# KiCad board data-center-dram-tester.kicad_pcb (continued)
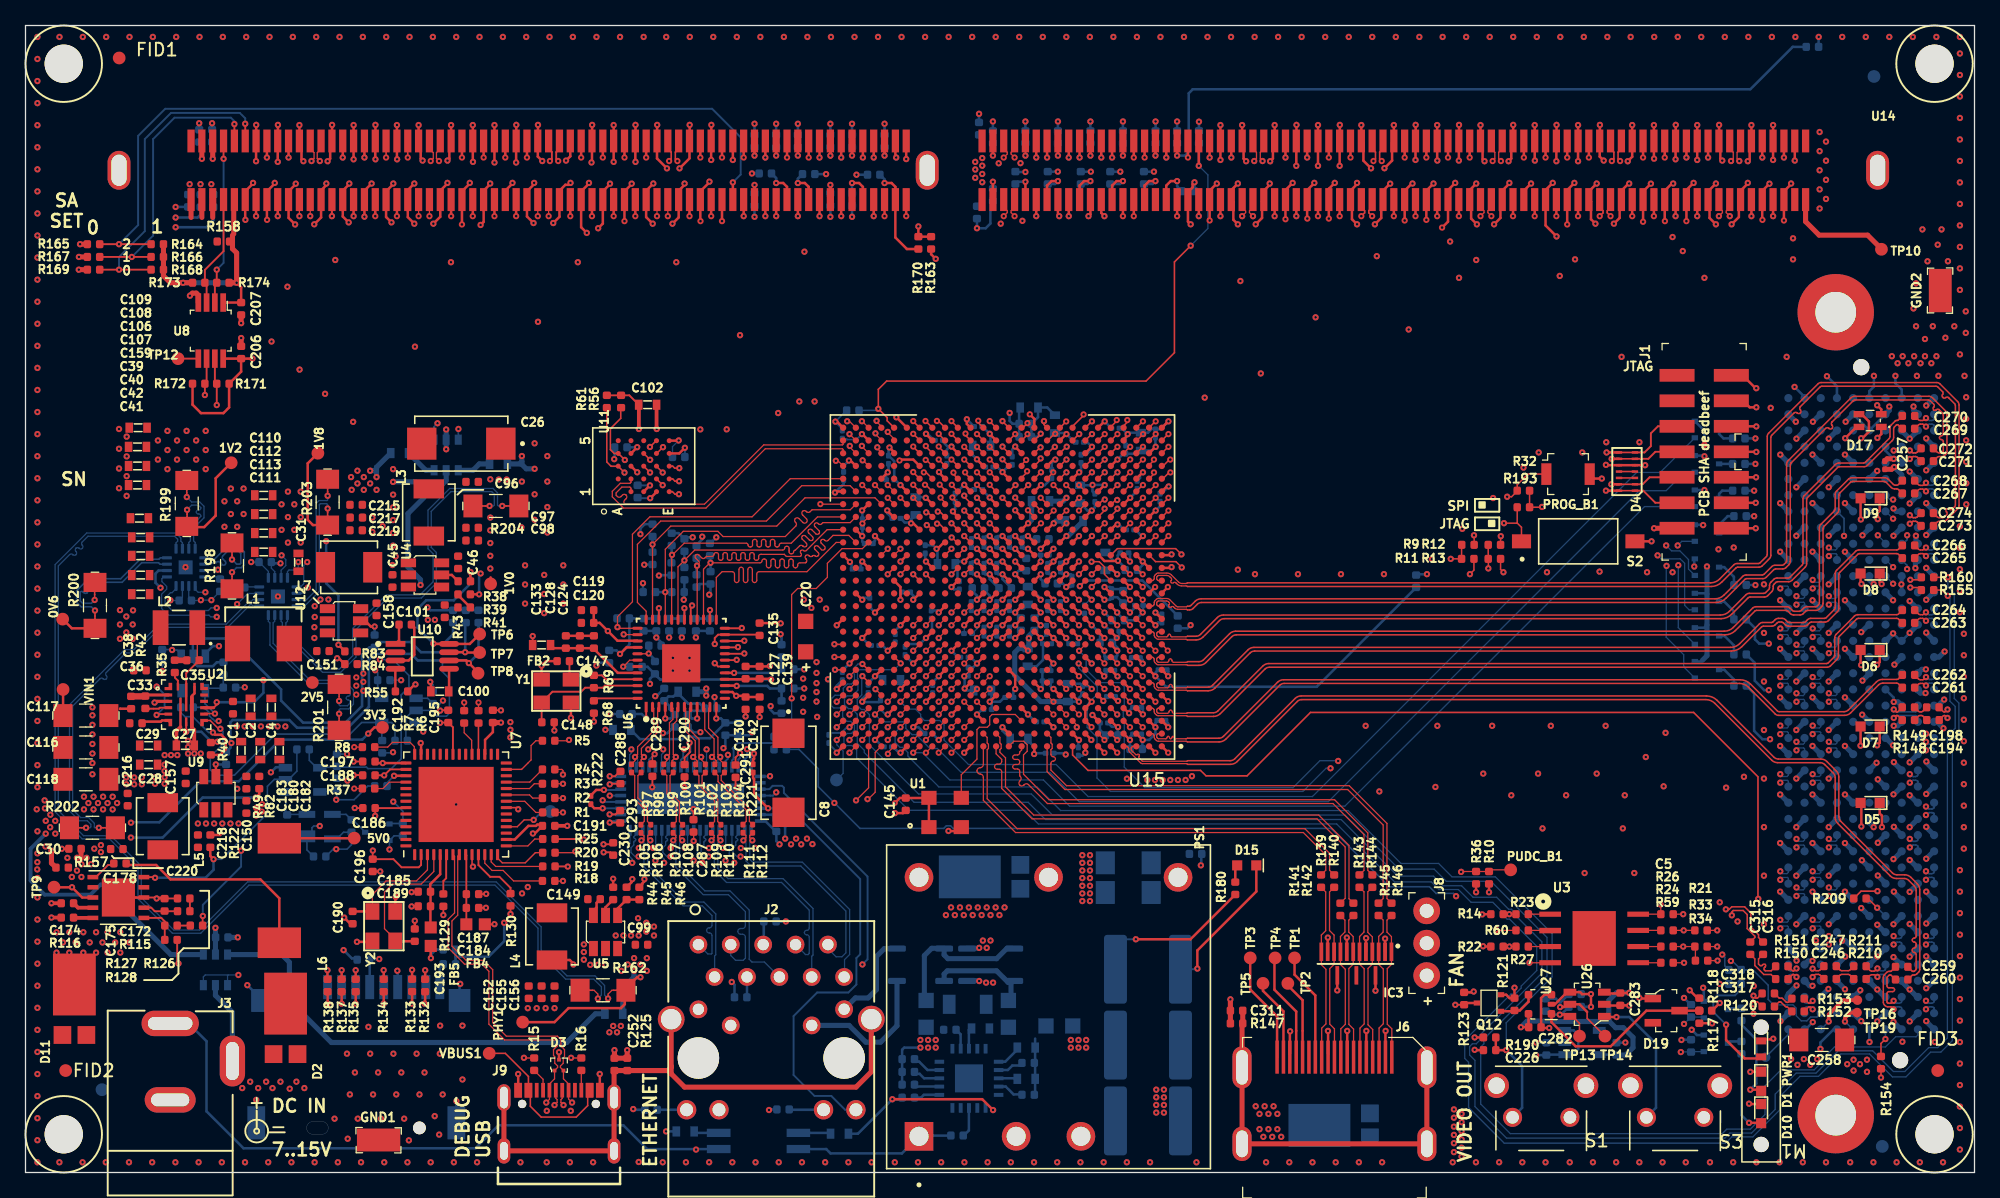
[diagram p0: board, top side]
## Routing (per net, layer and track width the routed paths; a pad name or vN(x,y) marks a point on that pad's centre or on a via; arc(x,y) is an arc through that point) (continued)
DQ15: length 65.3
  Top w0.127: U15.AB4 86.64,54.94 v3(86.66,54.94)
  Top w0.2: U14.166 v3(121.79,75.04)
  In5.Cu w0.09: v3(86.66,54.94) 87.2,55.48 89.4,55.48 90.04,56.12 91.13,56.12
  In5.Cu w0.146: v3(121.79,75.04) 121.79,74.29 105.6,58.1 105.29,58.1 arc(105.11,58.03) 105.04,57.85 105.04,57.75 arc(104.97,57.58) 104.79,57.5 arc(104.61,57.58) 104.54,57.75 104.54,58.45 arc(104.47,58.62) 104.29,58.7 arc(104.11,58.62) 104.04,58.45 104.04,57.75 arc(103.97,57.58) 103.79,57.5 arc(103.61,57.58) 103.54,57.75 103.54,58.45 arc(103.47,58.62) 103.29,58.7 arc(103.11,58.62) 103.04,58.45 103.04,57.75 arc(102.97,57.58) 102.79,57.5 arc(102.61,57.58) 102.54,57.75 102.54,58.45 arc(102.47,58.62) 102.29,58.7 arc(102.11,58.62) 102.04,58.45 102.04,57.75 arc(101.97,57.58) 101.79,57.5 arc(101.61,57.58) 101.54,57.75 101.54,58.45 arc(101.47,58.62) 101.29,58.7 arc(101.11,58.62) 101.04,58.45 101.04,57.75 arc(100.97,57.58) 100.79,57.5 arc(100.61,57.58) 100.54,57.75 100.54,58.45 arc(100.47,58.62) 100.29,58.7 arc(100.11,58.62) 100.04,58.45 100.04,57.75 arc(99.97,57.58) 99.79,57.5 arc(99.61,57.58) 99.54,57.75 99.54,58.45 arc(99.47,58.62) 99.29,58.7 arc(99.11,58.62) 99.04,58.45 99.04,57.75 arc(98.97,57.58) 98.79,57.5 arc(98.61,57.58) 98.54,57.75 98.54,58.45 arc(98.47,58.62) 98.29,58.7 arc(98.11,58.62) 98.04,58.45 98.04,57.75 arc(97.97,57.58) 97.79,57.5 arc(97.61,57.58) 97.54,57.75 97.54,58.45 arc(97.47,58.62) 97.29,58.7 arc(97.11,58.62) 97.04,58.45 97.04,57.75 arc(96.97,57.58) 96.79,57.5 arc(96.61,57.58) 96.54,57.75 96.54,58.45 arc(96.47,58.62) 96.29,58.7 arc(96.11,58.62) 96.04,58.45 96.04,57.75 arc(95.97,57.58) 95.79,57.5 arc(95.61,57.58) 95.54,57.75 95.54,58.45 arc(95.47,58.62) 95.29,58.7 arc(95.11,58.62) 95.04,58.45 95.04,58.35 arc(94.97,58.17) 94.79,58.1 94.7,58.1 92.72,56.12 91.13,56.12
DQ16: length 52.5
  Top w0.127: U15.V1 89.64,50.94 v2(89.66,50.94)
  Top w0.2: U14.27 v2(117.54,79.64)
  In2.Cu w0.1: v2(89.66,50.94) 90.32,50.94 91.05,51.67
  In2.Cu w0.16: v2(117.54,79.64) 117.54,66.74 109.31,58.51 107.75,56.95 arc(107.66,56.73) 107.75,56.52 107.8,56.47 arc(107.89,56.26) 107.8,56.04 arc(107.59,55.96) 107.38,56.04 106.81,56.61 arc(106.6,56.7) 106.38,56.61 arc(106.3,56.4) 106.38,56.19 106.95,55.62 arc(107.04,55.41) 106.95,55.2 arc(106.74,55.11) 106.53,55.2 106.47,55.25 arc(106.26,55.34) 106.05,55.25 103.8,53 93.34,53 92.01,51.67 91.05,51.67
DQ17: length 51.5
  Top w0.127: U15.Y2 88.64,52.94 v2(88.66,52.94)
  Top w0.2: U14.172 v2(116.69,75.04)
  In2.Cu w0.1: v2(88.66,52.94) 89.08,52.52 89.08,51.85 89.46,51.47 90.28,51.47 90.8,51.99 90.8,52.4 90.91,52.51 91.09,52.51
  In2.Cu w0.16: v2(116.69,75.04) 116.69,67.59 110.43,61.33 108.27,59.17 arc(108.06,59.08) 107.85,59.17 107.76,59.26 arc(107.55,59.35) 107.34,59.26 arc(107.25,59.05) 107.34,58.84 107.94,58.24 arc(108.02,58.02) 107.94,57.81 arc(107.72,57.72) 107.51,57.81 107.42,57.9 arc(107.21,57.99) 107,57.9 105.27,56.17 arc(105.18,55.96) 105.27,55.75 105.31,55.71 arc(105.39,55.5) 105.31,55.29 arc(105.09,55.2) 104.88,55.29 104.39,55.78 arc(104.18,55.87) 103.96,55.78 arc(103.88,55.57) 103.96,55.36 104.46,54.86 arc(104.55,54.65) 104.46,54.44 arc(104.25,54.35) 104.03,54.44 103.54,54.93 arc(103.33,55.02) 103.11,54.93 arc(103.03,54.72) 103.11,54.51 103.15,54.47 arc(103.24,54.26) 103.15,54.05 102.8,53.7 93,53.7 91.81,52.51 91.09,52.51
DQ18: length 48.5
  Top w0.127: U15.AC2 88.14,55.51 88.52,55.89 v2(88.52,55.94)
  Top w0.2: U14.34 v2(111.59,79.64)
  In2.Cu w0.1: 91.2,57.43 89.55,57.43 89.15,57.03 89.15,56.57 v2(88.52,55.94)
  In2.Cu w0.16: v2(111.59,79.64) 111.59,73.69 107.16,69.26 arc(107.08,69.06) 107.16,68.87 107.16,68.86 arc(107.24,68.67) 107.16,68.47 arc(106.97,68.39) 106.77,68.47 106.37,68.87 arc(106.18,68.95) 105.98,68.87 arc(105.9,68.68) 105.98,68.48 106.38,68.08 arc(106.46,67.89) 106.38,67.69 arc(106.19,67.61) 106,67.69 105.99,67.7 arc(105.79,67.78) 105.6,67.7 103.1,65.2 arc(102.91,65.12) 102.71,65.2 102.68,65.24 arc(102.48,65.32) 102.29,65.24 arc(102.21,65.04) 102.29,64.85 102.75,64.39 arc(102.83,64.19) 102.75,64 arc(102.55,63.92) 102.36,64 101.9,64.46 arc(101.7,64.54) 101.51,64.46 arc(101.43,64.26) 101.51,64.07 101.97,63.61 arc(102.05,63.41) 101.97,63.22 arc(101.77,63.14) 101.58,63.22 101.12,63.68 arc(100.93,63.76) 100.73,63.68 arc(100.65,63.49) 100.73,63.29 101.19,62.83 arc(101.27,62.64) 101.19,62.44 arc(101,62.36) 100.8,62.44 100.34,62.9 arc(100.15,62.98) 99.95,62.9 arc(99.87,62.71) 99.95,62.51 100.41,62.05 arc(100.49,61.86) 100.41,61.66 arc(100.22,61.58) 100.02,61.66 99.99,61.7 arc(99.79,61.78) 99.6,61.7 96.4,58.5 93.4,58.5 92.33,57.43 91.2,57.43
DQ19: length 46.4
  Top w0.127: U15.AE1 89.64,57.94 v2(89.66,57.94)
  Top w0.2: U14.179 v2(110.74,75.04)
  In2.Cu w0.1: v2(89.66,57.94) 91.2,57.94
  In2.Cu w0.16: 91.2,57.94 91.86,57.94 93.22,59.3 95.7,59.3 95.85,59.45 arc(95.93,59.64) 95.85,59.84 95.81,59.87 arc(95.73,60.07) 95.81,60.26 arc(96.01,60.34) 96.2,60.26 96.66,59.8 arc(96.86,59.72) 97.05,59.8 arc(97.13,60) 97.05,60.19 96.59,60.65 arc(96.51,60.85) 96.59,61.04 arc(96.79,61.12) 96.98,61.04 97.44,60.58 arc(97.64,60.5) 97.83,60.58 arc(97.91,60.78) 97.83,60.97 97.37,61.43 arc(97.29,61.62) 97.37,61.82 arc(97.56,61.9) 97.76,61.82 98.22,61.36 arc(98.41,61.28) 98.61,61.36 arc(98.69,61.55) 98.61,61.75 98.15,62.21 arc(98.07,62.4) 98.15,62.6 arc(98.34,62.68) 98.54,62.6 99,62.14 arc(99.19,62.06) 99.39,62.14 arc(99.47,62.33) 99.39,62.53 98.93,62.99 arc(98.85,63.18) 98.93,63.37 arc(99.12,63.45) 99.31,63.37 99.35,63.34 arc(99.54,63.26) 99.74,63.34 102.2,65.8 arc(102.29,66.01) 102.2,66.22 arc(102.11,66.44) 102.2,66.65 arc(102.41,66.74) 102.62,66.65 103.05,66.22 arc(103.26,66.14) 103.47,66.22 arc(103.56,66.44) 103.47,66.65 103.05,67.07 arc(102.96,67.28) 103.05,67.5 arc(103.26,67.58) 103.47,67.5 103.9,67.07 arc(104.11,66.98) 104.32,67.07 arc(104.41,67.28) 104.32,67.5 103.9,67.92 arc(103.81,68.13) 103.9,68.35 arc(104.11,68.43) 104.32,68.35 104.75,67.92 arc(104.96,67.83) 105.17,67.92 arc(105.26,68.13) 105.17,68.35 arc(105.08,68.56) 105.17,68.77 106.2,69.8 arc(106.29,70.01) 106.2,70.22 106.11,70.31 arc(106.03,70.52) 106.11,70.73 arc(106.33,70.82) 106.54,70.73 107.06,70.21 arc(107.28,70.12) 107.49,70.21 arc(107.58,70.42) 107.49,70.63 107.47,70.65 arc(107.38,70.86) 107.47,71.07 110.74,74.34 v2(110.74,75.04)
DQ20: length 52.5
  Top w0.127: v2(89.66,49.94) 89.64,49.94 U15.U1
  Top w0.2: U14.25 v2(119.24,79.64)
  In2.Cu w0.1: v2(89.66,49.94) 90.6,49.94 91.11,50.45
  In2.Cu w0.16: 91.11,50.45 93.15,50.45 94.1,51.4 105.6,51.4 119.24,65.04 v2(119.24,79.64)
DQ21: length 53.5
  Top w0.127: U15.V2 88.64,50.94 v2(88.66,50.94)
  Top w0.2: U14.170 v2(118.39,75.04)
  In2.Cu w0.1: v2(88.66,50.94) 89.13,50.46 90.53,50.46 91.05,50.98 91.11,50.98
  In2.Cu w0.16: 91.11,50.98 92.48,50.98 93.7,52.2 104.6,52.2 105.2,52.8 arc(105.29,53.02) 105.2,53.23 arc(105.12,53.44) 105.2,53.65 arc(105.42,53.74) 105.63,53.65 106.05,53.23 arc(106.26,53.14) 106.48,53.23 arc(106.56,53.44) 106.48,53.65 106.05,54.08 arc(105.96,54.29) 106.05,54.5 arc(106.26,54.59) 106.48,54.5 arc(106.69,54.41) 106.9,54.5 108.55,56.15 arc(108.74,56.23) 108.94,56.15 108.96,56.13 arc(109.16,56.05) 109.35,56.13 arc(109.43,56.32) 109.35,56.52 108.92,56.95 arc(108.83,57.15) 108.92,57.34 arc(109.11,57.42) 109.3,57.34 109.74,56.9 arc(109.93,56.82) 110.13,56.9 arc(110.21,57.1) 110.13,57.29 109.69,57.73 arc(109.61,57.92) 109.69,58.12 arc(109.89,58.2) 110.08,58.12 110.11,58.09 arc(110.3,58.01) 110.49,58.09 118.39,65.99 v2(118.39,75.04)
DQ22: length 48.7
  Top w0.127: U15.AB2 88.52,54.82 v2(88.52,54.93)
  Top w0.2: U14.32 v2(113.29,79.64)
  In2.Cu w0.1: v2(88.52,54.93) 88.52,55.33 89.24,56.05 89.24,56.11 89.58,56.46 91.2,56.46
  In2.Cu w0.16: 91.2,56.46 93.66,56.46 94,56.8 98,56.8 100.95,59.75 arc(101.14,59.83) 101.34,59.75 101.36,59.73 arc(101.55,59.65) 101.75,59.73 arc(101.83,59.93) 101.75,60.12 101.32,60.55 arc(101.24,60.74) 101.32,60.93 arc(101.52,61.02) 101.71,60.93 102.13,60.51 arc(102.33,60.43) 102.52,60.51 arc(102.6,60.7) 102.52,60.9 102.1,61.32 arc(102.02,61.52) 102.1,61.71 arc(102.29,61.79) 102.49,61.71 102.91,61.29 arc(103.11,61.21) 103.3,61.29 arc(103.38,61.48) 103.3,61.68 102.88,62.1 arc(102.8,62.3) 102.88,62.49 arc(103.07,62.57) 103.27,62.49 103.69,62.07 arc(103.88,61.98) 104.08,62.07 arc(104.16,62.26) 104.08,62.45 103.65,62.88 arc(103.57,63.07) 103.65,63.27 arc(103.85,63.35) 104.04,63.27 104.06,63.25 arc(104.26,63.17) 104.45,63.25 113.29,72.09 v2(113.29,79.64)
DQ23: length 46.3
  Top w0.127: v2(89.66,56.94) 89.64,56.94 U15.AD1
  Top w0.2: U14.177 v2(112.44,75.04)
  In2.Cu w0.1: v2(89.66,56.94) 91.2,56.94
  In2.Cu w0.16: 91.2,56.94 92.9,56.94 93.66,57.7 97.3,57.7 97.5,57.9 arc(97.69,57.98) 97.89,57.9 97.96,57.83 arc(98.15,57.75) 98.35,57.83 arc(98.43,58.02) 98.35,58.22 97.82,58.75 arc(97.74,58.94) 97.82,59.14 arc(98.01,59.22) 98.21,59.14 98.74,58.61 arc(98.93,58.53) 99.13,58.61 arc(99.21,58.8) 99.13,59 98.6,59.53 arc(98.52,59.72) 98.6,59.92 arc(98.79,60) 98.98,59.92 99.52,59.38 arc(99.71,59.3) 99.9,59.38 arc(99.98,59.58) 99.9,59.77 99.37,60.3 arc(99.29,60.5) 99.37,60.69 arc(99.57,60.77) 99.76,60.69 100.29,60.16 arc(100.49,60.08) 100.68,60.16 arc(100.76,60.36) 100.68,60.55 100.61,60.62 arc(100.53,60.82) 100.61,61.01 103.75,64.15 arc(103.83,64.34) 103.75,64.54 103.72,64.57 arc(103.64,64.76) 103.72,64.96 arc(103.92,65.04) 104.11,64.96 104.56,64.51 arc(104.75,64.43) 104.95,64.51 arc(105.03,64.7) 104.95,64.9 104.5,65.35 arc(104.42,65.54) 104.5,65.73 arc(104.69,65.82) 104.89,65.73 105.33,65.29 arc(105.53,65.21) 105.72,65.29 arc(105.8,65.48) 105.72,65.68 105.28,66.12 arc(105.2,66.32) 105.28,66.51 arc(105.47,66.59) 105.67,66.51 106.11,66.07 arc(106.31,65.98) 106.5,66.07 arc(106.58,66.26) 106.5,66.45 106.47,66.48 arc(106.39,66.68) 106.47,66.87 112.44,72.84 v2(112.44,75.04)
DQ24: length 39.2
  Top w0.127: v3(87.67,57.94) 87.17,57.44 U15.AE3
  Top w0.2: U14.38 v3(108.19,79.64)
  In5.Cu w0.09: 88.72,60.47 88.72,60.18 88.19,59.64 88.19,58.46 v3(87.67,57.94)
  In5.Cu w0.146: v3(108.19,79.64) 108.19,71.99 101.8,65.6 93.49,65.6 arc(93.35,65.54) 93.29,65.4 93.29,65.37 arc(93.23,65.23) 93.09,65.17 arc(92.95,65.23) 92.89,65.37 92.89,65.83 arc(92.83,65.97) 92.69,66.03 arc(92.55,65.97) 92.49,65.83 92.49,65.8 arc(92.43,65.66) 92.29,65.6 92,65.6 88.72,62.33 88.72,60.47
DQ25: length 39.9
  Top w0.127: v3(87.66,58.94) 87.64,58.94 U15.AF3
  Top w0.2: U14.183 v3(107.34,75.04)
  In5.Cu w0.09: v3(87.66,58.94) 87.66,60 87.87,60.21 87.87,60.43
  In5.Cu w0.146: v3(107.34,75.04) 107.34,72.44 101.4,66.5 91.69,66.5 91.08,65.89 arc(91.02,65.75) 91.08,65.61 91.14,65.55 arc(91.2,65.4) 91.14,65.26 arc(91,65.2) 90.86,65.26 90.45,65.67 arc(90.31,65.73) 90.17,65.67 arc(90.11,65.53) 90.17,65.39 90.58,64.98 arc(90.64,64.84) 90.58,64.7 arc(90.44,64.64) 90.3,64.7 89.89,65.11 arc(89.75,65.16) 89.6,65.11 arc(89.55,64.96) 89.6,64.82 90.01,64.41 arc(90.07,64.27) 90.01,64.13 arc(89.87,64.07) 89.73,64.13 89.32,64.54 arc(89.18,64.6) 89.04,64.54 arc(88.98,64.4) 89.04,64.26 89.45,63.85 arc(89.51,63.71) 89.45,63.57 arc(89.31,63.51) 89.16,63.57 88.76,63.97 arc(88.61,64.03) 88.47,63.97 arc(88.41,63.83) 88.47,63.69 88.88,63.28 arc(88.94,63.14) 88.88,63 arc(88.74,62.94) 88.6,63 88.19,63.41 arc(88.05,63.47) 87.91,63.41 arc(87.85,63.27) 87.91,63.13 87.97,63.06 arc(88.03,62.92) 87.97,62.78 87.87,62.68 87.87,60.43
DQ26: length 43.7
  Top w0.127: v3(85.66,56.94) 85.64,56.94 U15.AD5
  Top w0.2: U14.45 v3(102.24,79.64)
  In5.Cu w0.09: 83.17,60.5 83.17,58.73 83.45,58.45 83.85,58.45 84.18,58.12 84.18,57.75 84.57,57.35 85.24,57.35 v3(85.66,56.94)
  In5.Cu w0.146: 83.17,60.5 83.17,64.95 arc(83.1,65.13) 82.92,65.2 82.85,65.2 arc(82.68,65.27) 82.6,65.45 arc(82.68,65.63) 82.85,65.7 83.49,65.7 arc(83.66,65.77) 83.74,65.95 arc(83.66,66.13) 83.49,66.2 82.85,66.2 arc(82.68,66.27) 82.6,66.45 arc(82.68,66.63) 82.85,66.7 82.92,66.7 arc(83.1,66.77) 83.17,66.95 83.17,67.27 88.2,72.3 100.03,72.3 102.24,74.51 v3(102.24,79.64)
DQ27: length 43.2
  Top w0.127: v3(84.66,56.94) 84.64,56.94 U15.AD6
  Top w0.2: U14.190 v3(101.39,75.04)
  In5.Cu w0.09: 82.2,60.3 82.2,59.08 83.12,58.15 83.12,57.7 83.45,57.38 83.88,57.38 84.31,56.94 v3(84.66,56.94)
  In5.Cu w0.146: 82.2,60.3 82.2,60.64 arc(82.27,60.82) 82.45,60.89 82.49,60.89 arc(82.67,60.96) 82.74,61.14 arc(82.67,61.32) 82.49,61.39 81.91,61.39 arc(81.73,61.46) 81.66,61.64 arc(81.73,61.82) 81.91,61.89 82.49,61.89 arc(82.67,61.96) 82.74,62.14 arc(82.67,62.32) 82.49,62.39 81.91,62.39 arc(81.73,62.46) 81.66,62.64 arc(81.73,62.82) 81.91,62.89 82.49,62.89 arc(82.67,62.96) 82.74,63.14 arc(82.67,63.32) 82.49,63.39 81.91,63.39 arc(81.73,63.46) 81.66,63.64 arc(81.73,63.82) 81.91,63.89 82.49,63.89 arc(82.67,63.96) 82.74,64.14 arc(82.67,64.32) 82.49,64.39 81.91,64.39 arc(81.73,64.46) 81.66,64.64 arc(81.73,64.82) 81.91,64.89 81.95,64.89 arc(82.13,64.96) 82.2,65.14 82.2,67.8 87.7,73.3 99.65,73.3 v3(101.39,75.04)
DQ28: length 38.6
  Top w0.127: U15.AE2 88.64,57.94 v3(88.66,57.94)
  Top w0.2: U14.36 v3(109.89,79.64)
  In5.Cu w0.09: 90.2,60.47 90.2,60.1 89.19,59.09 89.19,58.47 v3(88.66,57.94)
  In5.Cu w0.146: 90.2,60.47 90.2,60.85 90.3,60.95 arc(90.44,61.01) 90.58,60.95 90.58,60.95 arc(90.73,60.89) 90.87,60.95 arc(90.93,61.09) 90.87,61.23 90.87,61.23 arc(90.81,61.37) 90.87,61.52 93.15,63.8 102.7,63.8 109.89,70.99 v3(109.89,79.64)
DQ29: length 38.9
  Top w0.127: v3(88.66,58.94) 88.64,58.94 U15.AF2
  Top w0.2: U14.181 v3(109.04,75.04)
  In5.Cu w0.09: 89.45,60.47 89.45,60.1 88.66,59.31 v3(88.66,58.94)
  In5.Cu w0.146: 89.45,60.47 89.45,61.55 89.76,61.86 arc(89.83,62.02) 89.76,62.18 89.67,62.28 arc(89.6,62.44) 89.67,62.6 arc(89.82,62.67) 89.98,62.6 90.5,62.08 arc(90.66,62.02) 90.82,62.08 arc(90.88,62.24) 90.82,62.4 90.3,62.92 arc(90.24,63.08) 90.3,63.24 arc(90.46,63.3) 90.62,63.24 91.14,62.72 arc(91.3,62.65) 91.46,62.72 arc(91.52,62.88) 91.46,63.04 90.94,63.56 arc(90.87,63.71) 90.94,63.87 arc(91.1,63.94) 91.26,63.87 91.77,63.36 arc(91.93,63.29) 92.09,63.36 arc(92.16,63.52) 92.09,63.67 91.57,64.19 arc(91.51,64.35) 91.57,64.51 arc(91.73,64.58) 91.89,64.51 91.99,64.41 arc(92.15,64.34) 92.31,64.41 92.6,64.7 102.15,64.7 109.07,71.62 109.07,75.01 v3(109.04,75.04)
DQ30: length 43.5
  Top w0.127: U15.AE5 85.64,57.94 v3(85.66,57.94)
  Top w0.2: U14.43 v3(103.94,79.64)
  In5.Cu w0.09: 85.14,60.5 85.14,58.46 v3(85.66,57.94)
  In5.Cu w0.146: v3(103.94,79.64) 103.94,73.9 100.54,70.5 95.41,70.5 arc(95.27,70.56) 95.21,70.7 95.21,70.73 arc(95.15,70.87) 95.01,70.93 arc(94.87,70.87) 94.81,70.73 94.81,70.27 arc(94.75,70.13) 94.61,70.07 arc(94.47,70.13) 94.41,70.27 94.41,70.73 arc(94.35,70.87) 94.21,70.93 arc(94.07,70.87) 94.01,70.73 94.01,70.27 arc(93.95,70.13) 93.81,70.07 arc(93.67,70.13) 93.61,70.27 93.61,70.73 arc(93.55,70.87) 93.41,70.93 arc(93.27,70.87) 93.21,70.73 93.21,70.27 arc(93.15,70.13) 93.01,70.07 arc(92.87,70.13) 92.81,70.27 92.81,70.73 arc(92.75,70.87) 92.61,70.93 arc(92.47,70.87) 92.41,70.73 92.41,70.7 arc(92.35,70.56) 92.21,70.5 89.4,70.5 85.14,66.24 85.14,66.02 arc(85.07,65.86) 84.91,65.8 arc(84.76,65.73) 84.69,65.57 84.69,65.42 arc(84.76,65.26) 84.91,65.19 arc(85.07,65.13) 85.14,64.97 85.14,60.5
DQ31: length 42.9
  Top w0.127: v3(84.66,57.94) 84.64,57.94 U15.AE6
  Top w0.2: U14.188 v3(103.09,75.04)
  In5.Cu w0.09: v3(84.66,57.94) 84.66,58.29 84.15,58.8 84.15,60.5
  In5.Cu w0.146: 84.15,60.5 84.15,60.75 arc(84.08,60.91) 83.93,60.97 83.76,60.97 arc(83.61,61.04) 83.54,61.2 arc(83.61,61.36) 83.76,61.42 84.54,61.42 arc(84.69,61.49) 84.76,61.65 arc(84.69,61.81) 84.54,61.88 83.76,61.88 arc(83.61,61.94) 83.54,62.1 arc(83.61,62.26) 83.76,62.33 84.54,62.33 arc(84.69,62.39) 84.76,62.55 arc(84.69,62.71) 84.54,62.78 83.76,62.78 arc(83.61,62.84) 83.54,63 arc(83.61,63.16) 83.76,63.22 84.54,63.22 arc(84.69,63.29) 84.76,63.45 arc(84.69,63.61) 84.54,63.67 83.76,63.67 arc(83.61,63.74) 83.54,63.9 arc(83.61,64.06) 83.76,64.12 84.54,64.12 arc(84.69,64.19) 84.76,64.35 arc(84.69,64.51) 84.54,64.58 83.76,64.58 arc(83.61,64.64) 83.54,64.8 arc(83.61,64.96) 83.76,65.03 83.93,65.03 arc(84.08,65.09) 84.15,65.25 84.15,66.75 88.8,71.4 100.22,71.4 103.09,74.27 v3(103.09,75.04)
DQ32: length 42.6
  Top w0.127: v3(74.74,58.99) 74.74,58.84 U15.AF15
  Top w0.2: U14.97 v3(52.94,79.64)
  In5.Cu w0.09: v3(74.74,58.99) 74.71,59.01 74.71,60.44
  In5.Cu w0.146: 74.71,60.44 74.71,62.89 67.9,69.7 60.9,69.7 57.9,72.7 54.6,72.7 52.94,74.36 52.94,75.14 arc(52.99,75.28) 53.14,75.34 53.25,75.34 arc(53.39,75.39) 53.45,75.54 arc(53.39,75.68) 53.25,75.74 52.52,75.74 arc(52.38,75.79) 52.32,75.94 arc(52.38,76.08) 52.52,76.14 53.35,76.14 arc(53.49,76.19) 53.55,76.34 arc(53.49,76.48) 53.35,76.54 52.52,76.54 arc(52.38,76.59) 52.32,76.74 arc(52.38,76.88) 52.52,76.94 53.35,76.94 arc(53.49,76.99) 53.55,77.14 arc(53.49,77.28) 53.35,77.34 53.14,77.34 arc(52.99,77.39) 52.94,77.54 v3(52.94,79.64)
DQ33: length 45.4
  Top w0.127: U15.AE16 73.74,57.84 v3(73.74,57.98)
  Top w0.2: U14.242 v3(52.09,75.04)
  In5.Cu w0.09: 74.28,60.44 74.28,58.47 73.79,57.98 v3(73.74,57.98)
  In5.Cu w0.146: v3(52.09,75.04) 52.09,74.21 54.2,72.1 57.5,72.1 60.8,68.8 61.2,68.8 arc(61.36,68.87) 61.43,69.03 61.43,69.1 arc(61.49,69.26) 61.65,69.32 arc(61.81,69.26) 61.88,69.1 61.88,68.5 arc(61.94,68.34) 62.1,68.28 arc(62.26,68.34) 62.32,68.5 62.32,69.1 arc(62.39,69.26) 62.55,69.32 arc(62.71,69.26) 62.78,69.1 62.78,68.5 arc(62.84,68.34) 63,68.28 arc(63.16,68.34) 63.22,68.5 63.22,69.1 arc(63.29,69.26) 63.45,69.32 arc(63.61,69.26) 63.68,69.1 63.68,68.5 arc(63.74,68.34) 63.9,68.28 arc(64.06,68.34) 64.12,68.5 64.12,69.1 arc(64.19,69.26) 64.35,69.32 arc(64.51,69.26) 64.57,69.1 64.57,68.5 arc(64.64,68.34) 64.8,68.28 arc(64.96,68.34) 65.03,68.5 65.03,69.1 arc(65.09,69.26) 65.25,69.32 arc(65.41,69.26) 65.47,69.1 65.47,68.5 arc(65.54,68.34) 65.7,68.28 arc(65.86,68.34) 65.93,68.5 65.93,69.1 arc(65.99,69.26) 66.15,69.32 arc(66.31,69.26) 66.38,69.1 66.38,68.5 arc(66.44,68.34) 66.6,68.28 arc(66.76,68.34) 66.82,68.5 66.82,69.1 arc(66.89,69.26) 67.05,69.32 arc(67.21,69.26) 67.28,69.1 67.28,69.03 arc(67.34,68.87) 67.5,68.8 67.8,68.8 74.28,62.32 74.28,60.44
DQ34: length 41.7
  Top w0.127: v3(70.6,58.96) 70.61,58.96 U15.AF19
  Top w0.2: U14.104 v3(46.99,79.64)
  In5.Cu w0.09: 69.92,60.44 69.92,59.63 70.59,58.96 v3(70.6,58.96)
  In5.Cu w0.146: v3(46.99,79.64) 46.99,71.81 51.1,67.7 55.8,67.7 60.9,62.6 64.1,62.6 arc(64.26,62.67) 64.32,62.83 64.32,62.85 arc(64.39,63.01) 64.55,63.08 arc(64.71,63.01) 64.78,62.85 64.78,62.35 arc(64.84,62.19) 65,62.12 arc(65.16,62.19) 65.22,62.35 65.22,62.85 arc(65.29,63.01) 65.45,63.08 arc(65.61,63.01) 65.68,62.85 65.68,62.83 arc(65.74,62.67) 65.9,62.6 68.3,62.6 69.92,60.98 69.92,60.44
DQ35: length 42.1
  Top w0.127: v3(69.64,58.96) 69.64,58.94 U15.AF20
  Top w0.2: U14.249 v3(46.14,75.04)
  In5.Cu w0.09: 69.35,60.44 69.35,59.25 v3(69.64,58.96)
  In5.Cu w0.146: v3(46.14,75.04) 46.14,71.26 50.4,67 55.5,67 60.7,61.8 61.4,61.8 arc(61.54,61.86) 61.6,62 61.6,62.02 arc(61.66,62.16) 61.8,62.22 arc(61.94,62.16) 62,62.02 62,61.58 arc(62.06,61.44) 62.2,61.38 arc(62.34,61.44) 62.4,61.58 62.4,62.02 arc(62.46,62.16) 62.6,62.22 arc(62.74,62.16) 62.8,62.02 62.8,61.58 arc(62.86,61.44) 63,61.38 arc(63.14,61.44) 63.2,61.58 63.2,62.02 arc(63.26,62.16) 63.4,62.22 arc(63.54,62.16) 63.6,62.02 63.6,61.58 arc(63.66,61.44) 63.8,61.38 arc(63.94,61.44) 64,61.58 64,62.02 arc(64.06,62.16) 64.2,62.22 arc(64.34,62.16) 64.4,62.02 64.4,62 arc(64.46,61.86) 64.6,61.8 65.7,61.8 arc(65.84,61.86) 65.9,62 arc(65.96,62.14) 66.1,62.2 arc(66.24,62.14) 66.3,62 66.3,61.6 arc(66.36,61.46) 66.5,61.4 arc(66.64,61.46) 66.7,61.6 66.7,62 arc(66.76,62.14) 66.9,62.2 arc(67.04,62.14) 67.1,62 67.1,61.6 arc(67.16,61.46) 67.3,61.4 arc(67.44,61.46) 67.5,61.6 arc(67.56,61.74) 67.7,61.8 68.2,61.8 69.35,60.65 69.35,60.44
DQ36: length 43.9
  Top w0.127: U15.AF14 75.64,58.94 v3(75.64,58.96)
  Top w0.2: U14.95 v3(54.64,79.64)
  In5.Cu w0.09: v3(75.64,58.96) 75.64,60.44
  In5.Cu w0.146: v3(54.64,79.64) 54.64,74.76 55.5,73.9 58.5,73.9 60.9,71.5 68.3,71.5 68.7,71.1 arc(68.84,71.04) 68.98,71.1 69.05,71.17 arc(69.19,71.23) 69.33,71.17 arc(69.39,71.03) 69.33,70.89 68.91,70.47 arc(68.86,70.32) 68.91,70.18 arc(69.06,70.12) 69.2,70.18 69.62,70.6 arc(69.76,70.66) 69.9,70.6 arc(69.96,70.46) 69.9,70.32 69.48,69.9 arc(69.42,69.76) 69.48,69.62 arc(69.62,69.56) 69.76,69.62 70.18,70.04 arc(70.32,70.1) 70.47,70.04 arc(70.52,69.9) 70.47,69.75 70.05,69.33 arc(69.99,69.19) 70.05,69.05 arc(70.19,68.99) 70.33,69.05 70.75,69.47 arc(70.89,69.53) 71.03,69.47 arc(71.09,69.33) 71.03,69.19 70.61,68.77 arc(70.55,68.63) 70.61,68.49 arc(70.75,68.43) 70.89,68.49 70.96,68.55 arc(71.1,68.61) 71.25,68.55 75.64,64.16 75.64,60.44
DQ37: length 46.5
  Top w0.127: U15.AD14 v3(75.64,56.94)
  Top w0.2: U14.240 v3(53.79,75.04)
  In5.Cu w0.09: 75.17,60.44 75.17,57.41 v3(75.64,56.94)
  In5.Cu w0.146: v3(53.79,75.04) 53.79,74.61 55.1,73.3 58.2,73.3 60.9,70.6 61.18,70.6 arc(61.33,70.67) 61.4,70.83 61.4,70.88 arc(61.47,71.03) 61.62,71.1 arc(61.78,71.03) 61.85,70.88 61.85,70.33 arc(61.92,70.17) 62.07,70.1 arc(62.23,70.17) 62.3,70.33 62.3,70.88 arc(62.37,71.03) 62.53,71.1 arc(62.68,71.03) 62.75,70.88 62.75,70.33 arc(62.82,70.17) 62.97,70.1 arc(63.13,70.17) 63.2,70.33 63.2,70.88 arc(63.27,71.03) 63.43,71.1 arc(63.58,71.03) 63.65,70.88 63.65,70.33 arc(63.72,70.17) 63.88,70.1 arc(64.03,70.17) 64.1,70.33 64.1,70.88 arc(64.17,71.03) 64.32,71.1 arc(64.48,71.03) 64.55,70.88 64.55,70.33 arc(64.62,70.17) 64.78,70.1 arc(64.93,70.17) 65,70.33 65,70.88 arc(65.07,71.03) 65.22,71.1 arc(65.38,71.03) 65.45,70.88 65.45,70.33 arc(65.52,70.17) 65.68,70.1 arc(65.83,70.17) 65.9,70.33 65.9,70.88 arc(65.97,71.03) 66.12,71.1 arc(66.28,71.03) 66.35,70.88 66.35,70.33 arc(66.42,70.17) 66.57,70.1 arc(66.73,70.17) 66.8,70.33 66.8,70.88 arc(66.87,71.03) 67.03,71.1 arc(67.18,71.03) 67.25,70.88 67.25,70.33 arc(67.32,70.17) 67.47,70.1 arc(67.63,70.17) 67.7,70.33 67.7,70.41 arc(67.76,70.54) 67.89,70.6 68.07,70.6 arc(68.23,70.53) 68.3,70.38 68.3,70.1 70.65,67.75 70.95,67.75 75.17,63.53 75.17,60.44
DQ38: length 40.8
  Top w0.127: v3(71.49,58.97) 71.61,58.97 U15.AF18
  Top w0.2: v3(48.69,79.64) U14.102
  In5.Cu w0.09: 70.97,60.42 70.97,59.94 71.49,59.41 v3(71.49,58.97)
  In5.Cu w0.146: v3(48.69,79.64) 48.69,72.76 52.35,69.1 56.6,69.1 61.25,64.45 64.65,64.45 arc(64.81,64.38) 64.88,64.22 64.88,64 arc(64.94,63.84) 65.1,63.78 arc(65.26,63.84) 65.32,64 65.32,64.78 arc(65.39,64.93) 65.55,65 arc(65.71,64.93) 65.78,64.78 65.78,64.42 arc(65.84,64.27) 66,64.2 68.4,64.2 70.97,61.64 70.97,60.42
DQ39: length 40.4
  Top w0.127: v3(71.64,57.96) 71.64,57.94 U15.AE18
  Top w0.2: U14.247 v3(47.84,75.04)
  In5.Cu w0.09: v3(71.64,57.96) 71.06,58.54 71.06,59.24 70.49,59.81 70.49,60.44
  In5.Cu w0.146: 70.49,60.44 70.49,61.31 68.4,63.4 68,63.4 arc(67.84,63.47) 67.78,63.62 arc(67.71,63.78) 67.55,63.85 arc(67.39,63.78) 67.32,63.62 67.32,63.17 arc(67.26,63.02) 67.1,62.95 arc(66.94,63.02) 66.88,63.17 66.88,63.62 arc(66.81,63.78) 66.65,63.85 arc(66.49,63.78) 66.43,63.62 66.43,63.17 arc(66.36,63.02) 66.2,62.95 arc(66.04,63.02) 65.97,63.17 arc(65.91,63.33) 65.75,63.4 64.6,63.4 arc(64.44,63.47) 64.38,63.62 64.38,63.64 arc(64.31,63.8) 64.15,63.87 arc(63.99,63.8) 63.93,63.64 63.93,63.16 arc(63.86,63) 63.7,62.93 arc(63.54,63) 63.47,63.16 63.47,63.64 arc(63.41,63.8) 63.25,63.87 arc(63.09,63.8) 63.03,63.64 63.03,63.62 arc(62.96,63.47) 62.8,63.4 61.2,63.4 56.2,68.4 51.8,68.4 47.84,72.36 v3(47.84,75.04)
DQ40: length 60.7
  Top w0.127: U15.AB14 v2(75.64,54.94)
  Top w0.2: U14.108 v2(43.59,79.64)
  In2.Cu w0.1: v2(75.64,54.94) 75.13,55.45 74.46,55.45 74.13,55.78 74.13,56.22 73.92,56.43 72.42,56.43 72.18,56.67 72.18,57.13 71.85,57.46 71.3,57.46 71.13,57.63 71.13,58.6 71.08,58.65 71.08,60.43
  In2.Cu w0.16: 71.08,60.43 71.08,64.32 66.9,68.5 63.4,68.5 arc(63.21,68.42) 63.12,68.22 63.12,68.18 arc(63.04,67.99) 62.85,67.91 arc(62.66,67.99) 62.57,68.18 62.57,68.82 arc(62.49,69.01) 62.3,69.09 arc(62.11,69.01) 62.03,68.82 62.03,68.18 arc(61.94,67.99) 61.75,67.91 arc(61.56,67.99) 61.47,68.18 61.47,68.82 arc(61.39,69.01) 61.2,69.09 arc(61.01,69.01) 60.93,68.82 60.93,68.18 arc(60.84,67.99) 60.65,67.91 arc(60.46,67.99) 60.38,68.18 60.38,68.82 arc(60.29,69.01) 60.1,69.09 arc(59.91,69.01) 59.82,68.82 59.82,68.18 arc(59.74,67.99) 59.55,67.91 arc(59.36,67.99) 59.28,68.18 59.28,68.82 arc(59.19,69.01) 59,69.09 arc(58.81,69.01) 58.72,68.82 58.72,68.18 arc(58.64,67.99) 58.45,67.91 arc(58.26,67.99) 58.18,68.18 58.18,68.22 arc(58.09,68.42) 57.9,68.5 48.45,68.5 43.59,73.36 v2(43.59,79.64)
DQ41: length 54.6
  Top w0.127: v2(70.62,57) 70.62,56.95 U15.AD19
  Top w0.2: U14.253 v2(42.74,75.04)
  In2.Cu w0.1: 70.15,60.43 70.15,57.48 v2(70.62,57)
  In2.Cu w0.16: 70.15,60.43 70.15,60.95 arc(70.07,61.14) 69.88,61.22 69.85,61.22 arc(69.65,61.31) 69.57,61.5 arc(69.65,61.69) 69.85,61.78 70.45,61.78 arc(70.65,61.86) 70.73,62.05 arc(70.65,62.24) 70.45,62.33 69.85,62.33 arc(69.65,62.41) 69.57,62.6 arc(69.65,62.79) 69.85,62.88 69.88,62.88 arc(70.07,62.96) 70.15,63.15 70.15,63.82 70.08,63.89 arc(69.88,63.97) 69.69,63.89 69.67,63.87 arc(69.48,63.79) 69.28,63.87 arc(69.2,64.07) 69.28,64.26 69.71,64.69 arc(69.79,64.88) 69.71,65.08 arc(69.51,65.16) 69.32,65.08 68.89,64.65 arc(68.7,64.57) 68.51,64.65 arc(68.42,64.84) 68.51,65.04 68.93,65.46 arc(69.01,65.66) 68.93,65.85 arc(68.74,65.93) 68.54,65.85 68.12,65.43 arc(67.92,65.35) 67.73,65.43 arc(67.65,65.62) 67.73,65.82 68.15,66.24 arc(68.23,66.44) 68.15,66.63 arc(67.96,66.71) 67.76,66.63 67.34,66.21 arc(67.14,66.13) 66.95,66.21 arc(66.87,66.4) 66.95,66.59 66.97,66.61 arc(67.05,66.81) 66.97,67 66.45,67.52 arc(66.26,67.6) 66.18,67.8 66.18,67.82 arc(66.09,68.02) 65.9,68.1 arc(65.71,68.02) 65.62,67.82 65.62,67.22 arc(65.54,67.02) 65.35,66.94 arc(65.16,67.02) 65.07,67.22 65.07,67.82 arc(64.99,68.02) 64.8,68.1 arc(64.61,68.02) 64.53,67.82 64.53,67.22 arc(64.44,67.02) 64.25,66.94 arc(64.06,67.02) 63.97,67.22 63.97,67.25 arc(63.89,67.44) 63.7,67.52 48.06,67.52 42.74,72.84 v2(42.74,75.04)